# KiCad board ElonMux.kicad_pcb (continued)
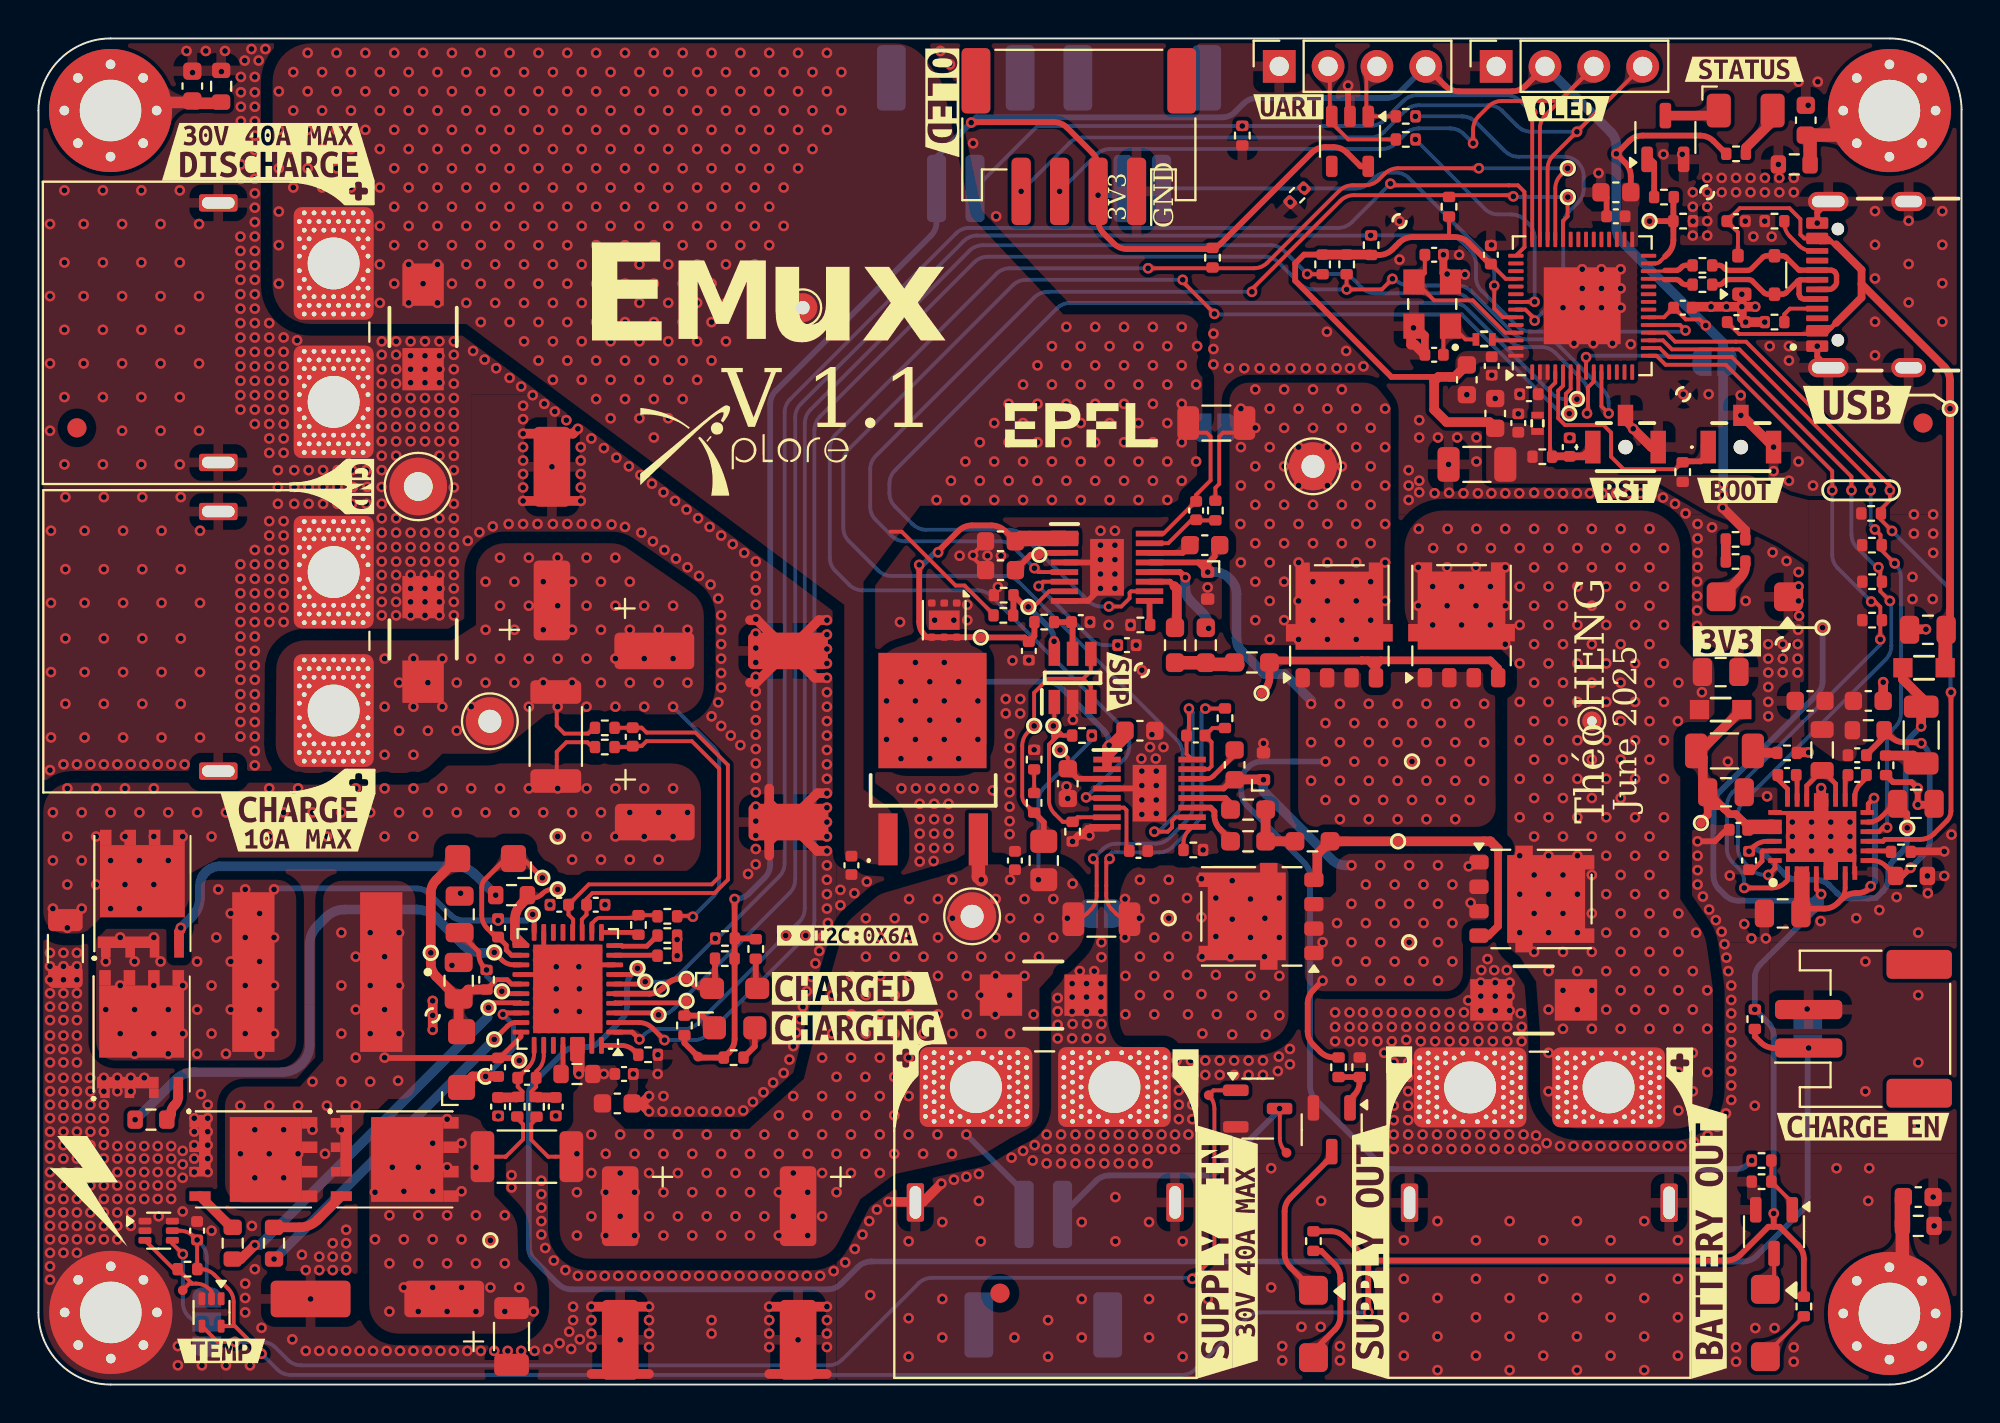
[diagram p0: board, top side]
## Footprints (pads in the part's own frame, mm; a bottom-side part is the same pattern mirrored in y, then rotated) (continued)
SOT-553
  rrect 0.675x0.35 smd: 1(-0.713,0.5) 2(-0.713,0) 3(-0.713,-0.5) 4(0.713,-0.5) 5(0.713,0.5)
SOT-563
  rrect 0.675x0.35 smd: 1(-0.713,0.5) 2(-0.713,0) 3(-0.713,-0.5) 4(0.713,-0.5) 5(0.713,0) 6(0.713,0.5)
STPS15L60CB-TR
  rrect 2.85x2.375 smd: (0.975,1.587)
  rrect 2.85x2.575 smd: (0.975,-1.488)
  rrect 2.75x2.375 smd: (4.175,1.587)
  rrect 2.75x2.575 smd: (4.175,-1.488)
  rect 2.7x1 smd: 1(-4.15,2.35) 2(-4.15,-2.35)
  rect 6x5.625 smd: 3(2.55,0.037)
TestPoint_Pad_D0.5mm_Front
  round 0.5 smd: 1(0,0)
TestPoint_THTPad_D1.0mm_Drill0.5mm
  round 1 hole 0.5: 1(0,0)
TestPoint_THTPad_D1.5mm_Drill0.7mm
  round 1.5 hole 0.7: 1(0,0)
TestPoint_THTPad_D2.5mm_Drill1.2mm
  round 2.5 hole 1.2: 1(0,0)
TestPoint_THTPad_D3.0mm_Drill1.5mm
  round 3 hole 1.5: 1(0,0)
TPS3701DDCR
  rect 1.25x0.6 smd: 1(-1.25,0.95) 2(-1.25,0) 3(-1.25,-0.95) 4(1.25,-0.95) 5(1.25,0) 6(1.25,0.95)
WSON-6-1EP_2x2mm_P0.65mm_EP1x1.6mm
  rrect 0.81x0.64 smd: (0,0.4) (0,-0.4)
  rrect 0.375x0.4 smd: 1(-0.887,0.65) 2(-0.887,0) 3(-0.887,-0.65) 4(0.887,-0.65) 5(0.887,0) 6(0.887,0.65)
  rect 1x1.6 smd: 7(0,0)
XTAL_ECS-400-10-33B-CKM-TR
  rect 1.3x1.1 smd: 1(-1.15,-0.95) 2(1.15,-0.95) 3(1.15,0.95) 4(-1.15,0.95)

## Nets
+3V3: C401.1 C402.1 C403.1 C404.1 C405.1 C407.1 C408.1 C411.1 C412.1 C607.2 C608.2 C609.2 C901.1 D1001.5 IC601.4 IC901.5 J1001.2 J1002.2 J1003.4 J1005.1 J1006.1 JP401.2 JP901.1 L401.1 L601.2 R401.1 R402.1 R403.1 R404.1 R405.1 R406.1 R407.1 R408.1 R602.1 R603.1 R604.1 R605.1 R606.1 R607.1 R718.1 R719.1 R720.1 R721.2 R722.2 R801.1 R806.1 R901.1 R1101.1 TP604.1 TP717.1 U401.20 U401.29 U401.46 U401.55 U401.56 U901.5
+VBUS: C610.1 C1001.1 C1002.1 D1002.4 FB602.1 J1004.A4_B9 J1004.B4_A9 TP1001.1
/Project Architecture/MCU - Unit/VDD3P3: C406.1 L401.2 U401.2 U401.3
/Project Architecture/Power - Generation/ENA/VCC: C614.1 IC601.2 IC601.3 IC601.7 IC601.14
/Project Architecture/Power - Generation/PVIN1: C604.1 C605.1 C606.1 FB601.2 IC601.24 IC601.25 TP602.1
/Project Architecture/Power - Generation/PVIN2: C611.1 C612.1 C613.1 FB602.2 IC601.13 IC601.26 TP603.1
/Project Architecture/Power - Power Path/+VBAT: C808.1 D503.1 D801.1 J503.2 JP802.1 NT805.1 R807.1 R814.1 TP811.1
/Project Architecture/Power - Power Path/+VBAT_O: JP802.2 NT806.1 Q804.5 R807.2 TP812.1
/Project Architecture/Power - Power Path/VCC1: C812.1 IC801.3 TP808.1
/Project Architecture/Power - Power Path/VCC2: C814.1 IC802.3 TP810.1
/Project Architecture/Power - Power Path/VDD: C810.1 C811.1 C813.1 D801.3 IC801.1 IC801.2 IC802.1 IC802.2 R812.1 TP814.1 U801.4 U801.5 U801.6
GND: C401.2 C402.2 C403.2 C404.2 C405.2 C406.2 C407.2 C408.2 C409.1 C410.1 C411.2 C412.2 C413.2 C603.2 C605.2 C606.2 C608.1 C609.1 C610.2 C612.2 C613.2 C614.2 C701.2 C702.2 C703.2 C704.1 C705.1 C706.2 C707.2 C708.2 C713.2 C714.2 C715.2 C716.2 C717.2 C718.2 C719.2 C720.2 C801.1 C806.2 C807.2 C808.2 C809.2 C810.2 C811.2 C812.2 C813.2 C814.2 C901.2 C1001.2 C1002.2 C1201.2 C1202.2 C1203.2 D501.2 D502.2 D503.2 D504.2 D802.2 D803.2 D1001.2 D1002.1 H1202.1 IC601.5 IC601.6 IC601.8 IC601.18 IC601.19 IC601.23 IC601.27 IC601.29 IC801.4 IC801.8 IC801.17 IC802.4 IC802.8 IC802.17 IC803.2 IC901.1 IC901.2 IC901.6 J501.1 J501.MP1 J501.MP2 J502.1 J502.MP1 J502.MP2 J503.1 J503.MP1 J503.MP2 J504.1 J504.MP1 J504.MP2 J701.2 J1001.1 J1002.1 J1003.1 J1004.A1_B12 J1004.B1_A12 J1004.SH1 J1004.SH2 J1004.SH3 J1004.SH4 JP701.2 JP901.3 LED601.1 Q703.1 Q704.1 Q801.2 Q806.2 Q901.2 Q1101.2 R601.1 R609.2 R610.1 R611.2 R715.2 R716.2 R717.2 R804.2 R810.2 R822.2 R823.2 R824.2 R825.2 R826.2 R1003.1 R1004.1 R1007.2 R1008.2 R1103.2 R1201.2 R1202.2 R1203.2 S401.2 S401.3 S402.2 S402.3 TP414.1 TP415.1 TP605.1 TP718.1 TP719.1 TP813.1 TP815.1 TP1002.1 U401.57 U701.8 U701.17 U701.22 U701.35 U701.37 U801.1 U801.2 U801.3 U801.7 U901.3 Y401.2 Y401.4
+VCHARGE: C705.2 C706.1 NT703.2 Q702.3 R702.1 TP701.1
+VSUPPLY: C701.1 C702.1 C717.1 C718.1 C809.1 D501.1 D801.2 J501.2 J901.2 JP801.1 NT701.2 NT801.1 R701.1 R712.1 R805.1 R811.1 R813.1 TP809.1 U701.33 U701.34
+VSUPPLY_C: C703.1 C704.2 NT702.2 Q701.3 R701.2 TP703.1
/Project Architecture/Interface - Connectors/CC1: J1004.A5 R1003.2
/Project Architecture/Interface - Connectors/CC2: J1004.B5 R1004.2
/Project Architecture/Interface - Connectors/GPIO35: J1001.4 J1002.4 U401.40
/Project Architecture/Interface - Connectors/GPIO36: J1001.3 J1002.3 U401.41
/Project Architecture/Interface - Connectors/GPIO37: J1005.2 R1007.1 U401.42
/Project Architecture/Interface - Connectors/GPIO45: J1006.2 R1008.1 U401.51
/Project Architecture/Interface - Connectors/U0RXD: R1001.1 U401.50
/Project Architecture/Interface - Connectors/U0RXD_C: D1001.1 J1003.3 R1001.2
/Project Architecture/Interface - Connectors/U0TXD: R1002.1 U401.49
/Project Architecture/Interface - Connectors/U0TXD_C: D1001.3 J1003.2 R1002.2
/Project Architecture/Interface - Connectors/USB_C+: D1002.3 J1004.A6 J1004.B6 R1006.2
/Project Architecture/Interface - Connectors/USB_C-: D1002.2 J1004.A7 J1004.B7 R1005.2
/Project Architecture/Interface - Connectors/USB_D+: R1006.1 U401.26
/Project Architecture/Interface - Connectors/USB_D-: R1005.1 U401.25
/Project Architecture/MCU - Unit/CHUP_PU: C413.1 R407.2 S401.1 U401.4
/Project Architecture/MCU - Unit/CLOCK_IN: L402.2 U401.54
/Project Architecture/MCU - Unit/CLOCK_IN_C: C409.2 L402.1 Y401.1
/Project Architecture/MCU - Unit/CLOCK_OUT: C410.2 U401.53 Y401.3
/Project Architecture/MCU - Unit/FAULT1: IC801.5 R404.2 TP409.1 U401.39
/Project Architecture/MCU - Unit/FAULT2: IC802.5 R403.2 TP410.1 U401.38
/Project Architecture/MCU - Unit/GPIO0: R408.2 S402.1 U401.5
/Project Architecture/MCU - Unit/GPIO3: JP401.1 U401.8
/Project Architecture/MCU - Unit/GPIO17: U401.23
/Project Architecture/MCU - Unit/GPIO18: U401.24
/Project Architecture/MCU - Unit/GPIO46: U401.52
/Project Architecture/MCU - Unit/IMON1: IC801.10 TP411.1 U401.6
/Project Architecture/MCU - Unit/IMON2: IC802.10 TP412.1 U401.7
/Project Architecture/MCU - Unit/INTn: R405.2 TP403.1 U401.19 U701.3
/Project Architecture/MCU - Unit/LED_DBG: R1102.2 R1103.1 TP404.1 U401.27
/Project Architecture/MCU - Unit/LNA_IN: U401.1
/Project Architecture/MCU - Unit/PGn: R406.2 TP413.1 U401.43 U701.6
/Project Architecture/MCU - Unit/PGOOD: IC601.11 R606.2 TP408.1 U401.18
/Project Architecture/MCU - Unit/PRIORITY: IC601.12 R603.2 TP405.1 U401.17
/Project Architecture/MCU - Unit/SCL: R401.2 TP401.1 U401.9 U701.1
/Project Architecture/MCU - Unit/SDA: R402.2 TP402.1 U401.10 U701.2
/Project Architecture/MCU - Unit/SPICLK: U401.33
/Project Architecture/MCU - Unit/SPICLK_N: U401.36
/Project Architecture/MCU - Unit/SPICLK_P: U401.37
/Project Architecture/MCU - Unit/SPICS0: U401.32
/Project Architecture/MCU - Unit/SPICS1: U401.28
/Project Architecture/MCU - Unit/SPID: U401.35
/Project Architecture/MCU - Unit/SPIHD: U401.30
/Project Architecture/MCU - Unit/SPIQ: U401.34
/Project Architecture/MCU - Unit/SPIWP: U401.31
/Project Architecture/MCU - Unit/VALID1: IC601.28 R604.2 TP406.1 U401.16
/Project Architecture/MCU - Unit/VALID2: IC601.1 R605.2 TP407.1 U401.15
/Project Architecture/MCU - Unit/XTAL_32K_N: U401.22
/Project Architecture/MCU - Unit/XTAL_32K_P: U401.21
/Project Architecture/Misc - Mounting Holes & Fiducials/HOLE1: C1201.1 H1201.1 R1201.1
/Project Architecture/Misc - Mounting Holes & Fiducials/HOLE3: C1202.1 H1203.1 R1202.1
/Project Architecture/Misc - Mounting Holes & Fiducials/HOLE4: C1203.1 H1204.1 R1203.1
/Project Architecture/Power - Charger/+VCHARGE_O: C707.1 C708.1 D502.1 J502.2 NT704.2 R702.2 R711.2 TP702.1
/Project Architecture/Power - Charger/ACN: C709.2 C714.1 R706.1 U701.29
/Project Architecture/Power - Charger/ACP: C709.1 C713.1 R705.1 U701.30
/Project Architecture/Power - Charger/BTST1: C710.2 D701.1 TP715.1 U701.26
/Project Architecture/Power - Charger/BTST2: C711.2 D702.1 TP716.1 U701.20
/Project Architecture/Power - Charger/CEn: J701.1 JP701.1 R718.2 TP712.1 U701.7
/Project Architecture/Power - Charger/DRV_SUP: C719.1 D701.2 D702.2 R714.2 TP713.1 U701.23
/Project Architecture/Power - Charger/FB: R711.1 R713.2 U701.12
/Project Architecture/Power - Charger/FBG: R713.1 U701.11
/Project Architecture/Power - Charger/FSW_SYNC: R715.1 U701.36
/Project Architecture/Power - Charger/HIDRV1: R703.1 TP704.1 U701.27
/Project Architecture/Power - Charger/HIDRV1_M: Q701.2 R703.2
/Project Architecture/Power - Charger/HIDRV2: R704.1 TP705.1 U701.19
/Project Architecture/Power - Charger/HIDRV2_M: Q702.2 R704.2
/Project Architecture/Power - Charger/ICHG: R716.1 U701.9
/Project Architecture/Power - Charger/ILIM_HIZ: R717.1 U701.10
/Project Architecture/Power - Charger/IN+: NT701.1 R705.2
/Project Architecture/Power - Charger/IN-: NT702.1 R706.2
/Project Architecture/Power - Charger/LED_STAT1: LED702.2 R722.1
/Project Architecture/Power - Charger/LED_STAT2: LED701.2 R721.1
/Project Architecture/Power - Charger/LODRV1: R709.1 TP706.1 U701.25
/Project Architecture/Power - Charger/LODRV1_M: Q703.2 R709.2
/Project Architecture/Power - Charger/LODRV2: R710.1 TP707.1 U701.21
/Project Architecture/Power - Charger/LODRV2_M: Q704.2 R710.2
/Project Architecture/Power - Charger/OUT+: NT703.1 R707.2
/Project Architecture/Power - Charger/OUT-: NT704.1 R708.2
/Project Architecture/Power - Charger/REGN: C720.1 R714.1 TP714.1 U701.24
/Project Architecture/Power - Charger/SRN: C712.2 C716.1 R708.1 U701.13
/Project Architecture/Power - Charger/SRP: C712.1 C715.1 R707.1 U701.14
/Project Architecture/Power - Charger/STAT1: LED702.1 R719.2 TP710.1 U701.4
/Project Architecture/Power - Charger/STAT2: LED701.1 R720.2 TP711.1 U701.5
/Project Architecture/Power - Charger/SW1: C710.1 L701.1 Q701.1 Q703.3 TP708.1 U701.28
/Project Architecture/Power - Charger/SW2: C711.1 L701.2 Q702.1 Q704.3 TP709.1 U701.18
/Project Architecture/Power - Charger/VAC: R712.2 U701.32
/Project Architecture/Power - Generation/+VOUT: C603.1 D504.1 FB601.1 J504.2 Q803.5 Q805.5 TP601.1
/Project Architecture/Power - Generation/BST1: C601.2 IC601.22
/Project Architecture/Power - Generation/BST2: C602.2 IC601.15
/Project Architecture/Power - Generation/COM1: C601.1 IC601.21
/Project Architecture/Power - Generation/COM2: C602.1 IC601.16
/Project Architecture/Power - Generation/FB_3v3: C607.1 IC601.9 R607.2 R609.1
/Project Architecture/Power - Generation/RT_G: IC601.10 R611.1
/Project Architecture/Power - Generation/SW_3V3: IC601.17 IC601.20 L601.1
/Project Architecture/Power - Power Path/+VSUPPLY_O: JP801.2 NT802.1 Q802.5 R805.2 TP816.1
/Project Architecture/Power - Power Path/BST_D1: C815.1 IC801.14
/Project Architecture/Power - Power Path/BST_D2: C805.1 IC802.14
/Project Architecture/Power - Power Path/GATE1: Q802.4 Q803.4 R803.1 TP805.1
/Project Architecture/Power - Power Path/GATE2: Q804.4 Q805.4 R809.1 TP807.1
/Project Architecture/Power - Power Path/INX: IC803.3 IC803.4 R811.2 R821.1 TP806.1
/Project Architecture/Power - Power Path/ISET1: IC801.9 R825.1
/Project Architecture/Power - Power Path/ISET2: IC802.9 R826.1
/Project Architecture/Power - Power Path/LED_BAT: Q806.1 R808.2 R810.1
/Project Architecture/Power - Power Path/LED_S1: Q801.1 R802.2 R804.1
/Project Architecture/Power - Power Path/OUTA: IC801.7 IC803.1 R813.2 R823.1 TP802.1
/Project Architecture/Power - Power Path/OUTB: IC802.7 IC803.6 R814.2 R824.1 TP804.1
/Project Architecture/Power - Power Path/shunt_bat+: C803.2 IC802.16 NT805.2
/Project Architecture/Power - Power Path/shunt_bat-: NT806.2 R816.2
/Project Architecture/Power - Power Path/shunt_supply+: C802.2 IC801.16 NT801.2
/Project Architecture/Power - Power Path/shunt_supply-: NT802.2 R815.2
/Project Architecture/Power - Power Path/SNS1-: C802.1 IC801.15 R815.1
/Project Architecture/Power - Power Path/SNS2-: C803.1 IC802.15 R816.1
/Project Architecture/Power - Power Path/SOURCE1: NT803.2 Q802.1 Q802.2 Q802.3 Q803.1 Q803.2 Q803.3 R802.1 TP801.1
/Project Architecture/Power - Power Path/SOURCE2: NT804.2 Q804.1 Q804.2 Q804.3 Q805.1 Q805.2 Q805.3 R808.1 TP803.1
/Project Architecture/Power - Power Path/TG1: R803.2 R817.2 R819.2
/Project Architecture/Power - Power Path/TG2: R809.2 R818.2 R820.2
/Project Architecture/Power - Power Path/TGDN1: IC801.11 R819.1
/Project Architecture/Power - Power Path/TGDN2: IC802.11 R820.1
/Project Architecture/Power - Power Path/TGUP1: IC801.12 R817.1
/Project Architecture/Power - Power Path/TGUP2: IC802.12 R818.1
/Project Architecture/Power - Power Path/TS1: C815.2 D802.1 IC801.13 NT803.1
/Project Architecture/Power - Power Path/TS2: C805.2 D803.1 IC802.13 NT804.1
/Project Architecture/Sensing - Fan Controller/FAN-: J901.1 Q901.3 TP1004.1
/Project Architecture/Sensing - Fan Controller/FAN_GATE: Q901.1 TP1003.1 U901.4
/Project Architecture/Sensing - Fan Controller/FAN_OUT: IC901.3 R901.2 TP1005.1 U901.2
/Project Architecture/Sensing - Fan Controller/HYSTSET: IC901.4 JP901.2
/Project Architecture/User - LED Indicators/LED_D0: Q1101.1 R1102.1
/Project Architecture/User - LED Indicators/LED_D1: LED1101.1 Q1101.3
/Project Architecture/User - LED Indicators/LED_D2: LED1101.2 R1101.2
Net-(C604-Pad2): C604.2 R601.2
Net-(C611-Pad2): C611.2 R610.2
Net-(IC801-TIMER): C806.1 IC801.6
Net-(IC802-TIMER): C807.1 IC802.6
Net-(IC803-VDD): C801.2 IC803.5 R812.2
Net-(LED601-A): LED601.2 R608.2
Net-(LED801-A): LED801.2 R801.2
Net-(LED801-K): LED801.1 Q801.3
Net-(LED802-A): LED802.2 R806.2
Net-(LED802-K): LED802.1 Q806.3
Net-(R602-Pad2): R602.2 R608.1
Net-(R821-Pad2): R821.2 R822.1

Pads without a net: D1001 4; J701 MP1 MP2; J901 MP1 MP2; J1001 MP1 MP2; J1004 A8 B8; J1005 MP1 MP2; J1006 MP1 MP2; U401 11 12 13 14 44 45 47 48; U701 15 16 31; U901 1

## Via types
v1: diameter 0.55, hole 0.3, L1 (Sig, PWR) to L4 (Sig, PWR), 2613 vias

## Routing (per net, layer and track width the routed paths; a pad name or vN(x,y) marks a point on that pad's centre or on a via; arc(x,y) is an arc through that point)
+3V3: length 341.7
  L1 (Sig, PWR) w0.2: 76.82,57.5 76.29,57.5 C408.1 ; U401.20 84.53,55.5 C407.1 85.05,56 85.66,55.39 86.38,55.39 v1(86.7,55.08) ; R403.1 73.35,59.67 ; v1(11.6,1.6) 11.6,1.65 10.21,3.04 U901.5 9.51,3.05 10.11,3.05 10.15,3.09 10.15,4.29 arc(10.07,4.67) 9.86,4.99 9.14,5.71 arc(8.82,5.92) 8.44,6 R901.1 8.25,6.01 v1(8.25,7.52) 8.06,7.71 arc(7.74,7.92) 7.36,8 IC901.5 ; v1(55.1,61.85) J1001.2
  L1 (Sig, PWR) w0.25: v1(92.7,25.5) 92.45,25.75 IC601.4
  L1 (Sig, PWR) w0.3: v1(87.57,45.6) 87.59,45.6 ; R406.1 37.26,23.2 R721.2 ; R401.1 65.81,58.76 65.35,58.3 65.35,57.4 70.35,52.4 73.4,52.4 ; J1002.2 77.33,67.54 arc(77.01,67.33) 76.63,67.25 73.85,67.25 arc(73.47,67.33) 73.15,67.54 J1003.4 ; D1001.5 68.75,63.35 68.04,64.06 arc(67.72,64.27) 67.34,64.35 66.91,64.35 arc(66.53,64.27) 66.21,64.06 61.49,59.34 arc(61.17,59.13) 60.79,59.05 56.61,59.05 arc(56.23,59.13) 55.91,59.34 55.39,59.86 arc(55.18,60.18) 55.1,60.56 J1001.2 ; v1(69.15,3.75) 69.15,6.45 ; 69.15,6.45 67.92,7.68 arc(67.6,7.89) 67.22,7.97 R801.1 ; 69.15,6.45 87.79,6.45 arc(88.17,6.53) 88.49,6.74 89.95,8.2 90.23,8.2 ; C408.1 75.48,58.27 74.37,59.38 arc(74.05,59.59) 73.66,59.67 71.46,59.67 arc(71.08,59.59) 70.75,59.38 70.41,59.03 arc(70.08,58.82) 69.7,58.74 69.28,58.74 69.25,58.76 ; R719.1 33.59,17.76 TP717.1 34.35,17 R722.2 35.91,17.27 arc(36.12,17.59) 36.2,17.97 R720.1 ; 90.23,8.2 90.55,8.2 91.51,7.24 arc(91.72,6.92) 91.8,6.54 R806.1 ; 90.23,8.2 v1(90.23,8.9) ; 36.21,22.1 36.2,22.11 v1(36.2,25.25) ; v1(55.1,61.85) 55.1,63.34 arc(55.02,63.72) 54.81,64.04 53.49,65.36 arc(53.17,65.57) 52.79,65.65 48.53,65.65 v1(48.5,65.63) ; 87.76,64 87.11,64.66 arc(86.78,64.87) 86.4,64.95 83.41,64.95 arc(83.03,64.87) 82.71,64.66 v1(82.05,64) 82.51,63.54 arc(82.72,63.22) 82.8,62.84 82.8,62.25
  L1 (Sig, PWR) w0.5: v1(87.57,45.6) 88.76,44.42 R602.1 ; 75.78,49.73 75.45,50.05 73.22,50.05 72.57,50.7 72.57,52.17 72.8,52.4 73.65,52.4 C411.1 ; 69.25,58.76 R402.1 R401.1
  L4 (Sig, PWR) w0.2: v1(8.25,7.52) 8.46,7.31 arc(8.67,6.99) 8.75,6.61 JP901.1 ; 92.28,25.25 92.53,25.5 v1(92.7,25.5) 92.45,25.25 ; v1(69.15,3.75) 63.53,3.75 arc(63.15,3.67) 62.82,3.46 60.16,0.79 arc(59.83,0.58) 59.45,0.5 13.12,0.5 arc(12.73,0.58) 12.41,0.79 v1(11.6,1.6)
  L4 (Sig, PWR) w0.3: 92.14,24.46 92.14,24.95 v1(92.7,25.5) 92.7,25.01 92.34,24.66 ; 92.14,24.46 89.54,21.85 arc(89.33,21.53) 89.25,21.15 v1(89.25,19.51) 89.94,18.82 arc(90.16,18.5) 90.23,18.11 v1(90.23,8.9) ; 92.14,24.46 92.34,24.66 ; 92.34,24.66 92.35,24.66 92.35,24.9 92.45,25 92.45,25.25 92.36,25.16 88.4,25.16 arc(88.02,25.24) 87.7,25.45 87.39,25.76 arc(87.18,26.08) 87.1,26.46 87.1,30.09 arc(87.18,30.47) 87.39,30.79 92.48,35.88 arc(92.7,36.21) 92.78,36.59 v1(92.78,39.36) ; J1006.1 56.05,61.85 v1(55.1,61.85) ; v1(36.2,25.25) 36.25,25.25 arc(36.63,25.33) 36.95,25.54 37.76,26.35 arc(37.97,26.67) 38.05,27.05 38.05,50.98 arc(38.13,51.36) 38.34,51.68 46.41,59.75 arc(46.62,60.07) 46.7,60.45 J1005.1 46.7,63.83 v1(48.5,65.63) 48.77,65.9 61.53,65.9 arc(61.92,65.98) 62.24,66.19 62.66,66.61 arc(62.98,66.82) 63.36,66.9 70.08,66.9 arc(70.46,66.98) 70.78,67.19 J1003.4
  L4 (Sig, PWR) w0.4: v1(87.57,45.6) 87.55,45.63
  L4 (Sig, PWR) w0.5: 87.55,45.63 87.6,45.68 v1(87.6,46.25) v1(87.6,46.85) 87.6,54.18 ; 87.55,54.23 82.34,59.43 arc(82.13,59.76) 82.05,60.14 v1(82.05,64) 82.05,64.43 arc(81.97,64.81) 81.76,65.13 J1002.2
+VBUS: length 44.4
  L1 (Sig, PWR) w0.2: C1001.1 88.44,54.63 92.32,54.63 J1004.A4_B9 92.03,54.8 ; D1002.4 88.38,59.92 C1002.1 88.47,61.18 91.05,61.18 91.62,60.6 91.62,59.8 91.82,59.6 J1004.B4_A9
  L1 (Sig, PWR) w0.25: 92.92,54.66 93.47,55.21 93.48,55.21 ; 93.52,59.15 93.06,59.6 J1004.B4_A9
  L1 (Sig, PWR) w0.3: 93.18,54.95 92.65,54.95 J1004.A4_B9 ; J1004.B4_A9 92.65,59.45 93.18,59.45
  L1 (Sig, PWR) w0.4: v1(99.4,50.75) 99.38,50.75 ; v1(99.4,50.75) 99.4,52.22 arc(99.32,52.6) 99.11,52.92 94.8,57.23 ; v1(99.4,50.75) 99.4,39.45 C610.1 ; 99.2,37.04 99.16,37 ; 94.8,57.23 94.8,56.53 93.48,55.21 ; 94.8,57.23 94.8,57.97 93.47,59.3
  L1 (Sig, PWR) w0.7: C610.1 99.15,39.2 FB602.1
  L4 (Sig, PWR) w0.2: v1(99.4,50.75) 99.4,50.85
/Project Architecture/Power - Generation/ENA/VCC: length 17.4
  L1 (Sig, PWR) w0.2: 91.45,25.05 91.75,24.75 91.95,24.95
  L1 (Sig, PWR) w0.25: v1(95.45,30.5) 95.15,30.2 95.15,29.8 IC601.14 ; IC601.7 93.95,25.84 arc(93.87,25.46) 93.66,25.13
  L1 (Sig, PWR) w0.3: IC601.2 91.45,25.05 ; 91.65,24.75 92.86,24.75 arc(93.24,24.83) 93.57,25.04 93.78,25.26 arc(94.11,25.47) 94.49,25.55 94.56,25.55 arc(94.94,25.63) 95.27,25.84 95.28,25.86 v1(95.28,25.92) ; IC601.3 91.95,24.95
  L1 (Sig, PWR) w0.5: 91.7,26.7 91.65,26.65 C614.1
  L4 (Sig, PWR) w0.2: v1(95.28,25.92) 95.22,25.98 95.22,26
  L4 (Sig, PWR) w0.3: v1(95.28,25.92) 95.5,26.14 95.5,30.45 v1(95.45,30.5)
/Project Architecture/Power - Generation/PVIN1: length 15.6
  L1 (Sig, PWR) w0.25: 90.53,28.75 90.53,29.15 ; 89.1,28.75 IC601.25 ; 90.2,29.25 88.8,29.25
  L1 (Sig, PWR) w0.4: 87.69,29.91 87.94,29.66 88.27,29.66 88.88,29.05 88.88,29 90.3,29 ; 87.69,29.91 87.53,30.08 86.8,30.08 ; 87.69,29.91 C605.1 86.8,30.08 ; 86.8,30.08 86.8,29.63 86.45,29.28
  L1 (Sig, PWR) w0.5: FB601.2 86.43,32.95 C604.1 86.55,32.6 86.55,31.05 C605.1
/Project Architecture/Power - Generation/PVIN2: length 25.7
  L1 (Sig, PWR) w0.25: IC601.26 89.88,28.25 arc(89.5,28.17) 89.18,27.96 v1(88.95,27.73) ; C612.1 96.51,30.2 95.86,29.54 arc(95.53,29.33) 95.15,29.25 IC601.13
  L1 (Sig, PWR) w0.3: v1(97.18,28.95) 97.18,29.7 C612.1
  L1 (Sig, PWR) w0.5: v1(97.9,34.23) C611.1 97.9,35.73 96.95,36.68 FB602.2
  L4 (Sig, PWR) w0.3: v1(88.95,27.73) 89.09,27.87 89.14,27.87 89.34,27.84 89.52,27.76 89.68,27.65 89.75,27.58 90.79,26.54 90.86,26.48 91.03,26.37 91.21,26.29 91.4,26.25 91.5,26.25 92.42,26.25 92.52,26.25 92.71,26.21 92.89,26.13 93.06,26.03 93.13,25.96 93.52,25.57 93.59,25.5 93.75,25.39 93.93,25.32 94.12,25.28 94.22,25.28 95.11,25.28 95.2,25.28 95.29,25.29 95.54,25.29 95.91,25.66 95.91,25.66 95.98,25.73 96.08,25.9 96.16,26.08 96.2,26.27 96.2,26.37 96.2,26.59 96.2,26.68 96.24,26.88 96.32,27.06 96.42,27.22 96.49,27.29 96.88,27.68 96.95,27.75 97.06,27.92 97.13,28.1 97.17,28.29 97.18,28.39 v1(97.18,28.95) 97.1,29.03 97.1,33.01 arc(97.18,33.39) 97.39,33.72 v1(97.9,34.23)
/Project Architecture/Power - Power Path/+VBAT: length 7.2
  L1 (Sig, PWR) w0.2: 44.3,44.35 44.89,44.35 47.69,41.55 48.16,41.55 49.67,40.04 R814.1
  vias: v1(12.5,67.25) v1(12.5,65.25) v1(12.5,63.25) v1(12.5,61) v1(12.5,59.25) v1(12.5,57.25) v1(13.25,68.25) v1(13.25,66.25) v1(13.25,64.25) v1(13.25,62.25) v1(14,69.25) v1(14,67.25) v1(14,65.25) v1(14,63.25) v1(14.75,68.25) v1(14.75,66.25) v1(14.75,64.25) v1(14.75,62.25) v1(15.5,69.25) v1(15.5,67.25) v1(15.5,65.25) v1(15.5,63.25) v1(16.25,68.25) v1(16.25,66.25) v1(16.25,64.25) v1(16.25,62.25) v1(17,69.25) v1(17,67.25) v1(17,65.25) v1(17,63.25) v1(17.75,68.25) v1(17.75,66.25) v1(17.75,64.25) v1(17.75,62.25) v1(17.75,60.25) v1(17.75,58.25) v1(17.75,56.25) v1(18.5,69.25) v1(18.5,67.25) v1(18.5,65.25) v1(18.5,63.25) v1(18.5,61.25) v1(18.5,59.25) v1(18.5,57.25) v1(19.25,68.25) v1(19.25,66.25) v1(19.25,64.25) v1(19.25,62.25) v1(19.25,60.25) v1(19.25,58.25) v1(19.25,56.25) v1(20,69.25) v1(20,67.25) v1(20,65.25) v1(20,63.25) v1(20,61.25) v1(20,59.25) v1(20,57.25) v1(20.75,68.25) v1(20.75,66.25) v1(20.75,64.25) v1(20.75,62.25) v1(20.75,60.25) v1(20.75,58.25) v1(20.75,56.25) v1(21.5,69.25) v1(21.5,67.25) v1(21.5,65.25) v1(21.5,63.25) v1(21.5,61.25) v1(21.5,59.25) v1(21.5,57.25) v1(22.25,68.25) v1(22.25,66.25) v1(22.25,64.25) v1(22.25,62.25) v1(22.25,60.25) v1(22.25,58.25) v1(22.25,56.25) v1(23,69.25) v1(23,67.25) v1(23,65.25) v1(23,63.25) v1(23,61.25) v1(23,59.25) v1(23,57.25) v1(23,55.25) v1(23.75,68.25) v1(23.75,66.25) v1(23.75,64.25) v1(23.75,62.25) v1(23.75,60.25) v1(23.75,58.25) v1(23.75,56.25) v1(24.5,69.25) v1(24.5,67.25) v1(24.5,65.25) v1(24.5,63.25) v1(24.5,61.25) v1(24.5,59.25) v1(24.5,57.25) v1(24.5,55.25) v1(25.25,68.25) v1(25.25,66.25) v1(25.25,64.25) v1(25.25,62.25) v1(25.25,60.25) v1(25.25,58.25) v1(25.25,56.25) v1(25.25,54.25) v1(26,69.25) v1(26,67.25) v1(26,65.25) v1(26,63.25) v1(26,61.25) v1(26,59.25) v1(26,57.25) v1(26,55.25) v1(26,53.25) v1(26.75,68.25) v1(26.75,66.25) v1(26.75,64.25) v1(26.75,62.25) v1(26.75,60.25) v1(26.75,58.25) v1(26.75,56.25) v1(26.75,54.25) v1(26.75,52.25) v1(27.5,69.25) v1(27.5,67.25) v1(27.5,65.25) v1(27.5,63.25) v1(27.5,61.25) v1(27.5,59.25) v1(27.5,57.25) v1(27.5,55.25) v1(27.5,53.25) v1(28.25,68.25) v1(28.25,66.25) v1(28.25,64.25) v1(28.25,62.25) v1(28.25,60.25) v1(28.25,58.25) v1(28.25,56.25) v1(28.25,54.25) v1(28.25,52.25) v1(29,69.25) v1(29,67.25) v1(29,65.25) v1(29,63.25) v1(29,61.25) v1(29,59.25) v1(29,57.25) v1(29,55.25) v1(29,53.25) v1(29,51.25) v1(29.75,68.25) v1(29.75,66.25) v1(29.75,64.25) v1(29.75,62.25) v1(29.75,60.25) v1(29.75,58.25) v1(29.75,56.25) v1(29.75,54.25) v1(29.75,52.25) v1(29.75,50.25) v1(30.5,69.25) v1(30.5,67.25) v1(30.5,65.25) v1(30.5,63.25) v1(30.5,61.25) v1(30.5,59.25) v1(30.5,57.25) v1(30.5,55.25) v1(30.5,53.25) v1(30.5,51.25) v1(31.25,68.25) v1(31.25,66.25) v1(31.25,64.25) v1(31.25,62.25) v1(31.25,60.25) v1(31.25,58.25) v1(31.25,56.25) v1(31.25,54.25) v1(31.25,52.25) v1(31.25,50.25) v1(32,69.25) v1(32,67.25) v1(32,65.25) v1(32,63.25) v1(32,61.25) v1(32,59.25) v1(32,57.25) v1(32,55.25) v1(32,53.25) v1(32,51.25) v1(32,49.25) v1(32.75,68.25) v1(32.75,66.25) v1(32.75,64.25) v1(32.75,62.25) v1(32.75,60.25) v1(32.75,58.25) v1(32.75,56.25) v1(32.75,54.25) v1(32.75,52.25) v1(32.75,50.25) v1(33.5,69.25) v1(33.5,67.25) v1(33.5,65.25) v1(33.5,63.25) v1(33.5,61.25) v1(33.5,59.25) v1(33.5,57.25) v1(33.5,55.25) v1(33.5,53.25) v1(33.5,51.25) v1(34.25,68.25) v1(34.25,66.25) v1(34.25,64.25) v1(34.25,62.25) v1(34.25,60.25) v1(34.25,58.25) v1(34.25,56.25) v1(34.25,54.25) v1(34.25,52.25) v1(35,69.25) v1(35,67.25) v1(35,65.25) v1(35,63.25) v1(35,61.25) v1(35,59.25) v1(35,57.25) v1(35,55.25) v1(35,53.25) v1(35.75,68.25) v1(35.75,66.25) v1(35.75,64.25) v1(35.75,62.25) v1(35.75,60.25) v1(35.75,58.25) v1(35.75,56.25) v1(35.75,54.25) v1(36.5,69.25) v1(36.5,67.25) v1(36.5,65.25) v1(36.5,63.25) v1(36.5,61.25) v1(36.5,59.25) v1(36.5,57.25) v1(37.25,68.25) v1(37.25,66.25) v1(37.25,64.25) v1(37.25,62.25) v1(37.25,60.25) v1(37.25,58.25) v1(38,69.25) v1(38,67.25) v1(38,65.25) v1(38,63.25) v1(38,61.25) v1(38,59.25) v1(38.75,68.25) v1(38.75,66.25) v1(38.75,64.25) v1(38.75,62.25) v1(38.75,60.25) v1(39.5,69.25) v1(39.5,67.25) v1(39.5,65.25) v1(39.5,63.25) v1(40.25,68.25) v1(40.25,66.25) v1(40.25,64.25) v1(41,69.25) v1(41,67.25) v1(41,65.25) v1(41.75,68.25) v1(41.75,66.25) v1(46.7,46) v1(47.45,47) v1(48.2,48) v1(48.2,46) v1(48.95,49) v1(48.95,47) v1(49.7,50) v1(49.7,48) v1(49.7,46) v1(50.45,51) v1(50.45,49) v1(50.45,47) v1(51.2,52) v1(51.2,50) v1(51.2,48) v1(51.2,46) v1(51.95,53) v1(51.95,51) v1(51.95,49) v1(51.95,47) v1(52.7,54) v1(52.7,52) v1(52.7,50) v1(52.7,48) v1(52.7,46) v1(53.45,55) v1(53.45,53) v1(53.45,51) v1(53.45,49) v1(53.45,47) v1(54.2,54) v1(54.2,52) v1(54.2,50) v1(54.2,48) v1(54.2,46) v1(54.95,55) v1(54.95,53) v1(54.95,51) v1(54.95,49) v1(54.95,47) v1(55.7,54) v1(55.7,52) v1(55.7,50) v1(55.7,48) v1(55.7,46) v1(56.45,55) v1(56.45,53) v1(56.45,51) v1(56.45,49) v1(56.45,47) v1(57.2,54) v1(57.2,52) v1(57.2,50) v1(57.2,48) v1(57.2,46) v1(57.95,55) v1(57.95,53) v1(57.95,51) v1(57.95,49) v1(57.95,47) v1(58.7,54) v1(58.7,52) v1(58.7,50) v1(58.7,48) v1(58.7,46) v1(59.45,55) v1(59.45,53) v1(59.45,51) v1(59.45,49) v1(59.45,47) v1(60.2,52) v1(60.2,48) v1(60.25,54)